# Altium PCB duo_x.PcbDoc (part 3 of 3)
Units mm, origin at the board's own origin, x right, y up, seen from the top; angles counter-clockwise.
Board outline 172 x 152 mm, 2 copper layers (Top Layer, Bottom Layer), stack 1.581 mm thick; 199 components, 164 nets, 858 pads, 437 vias.
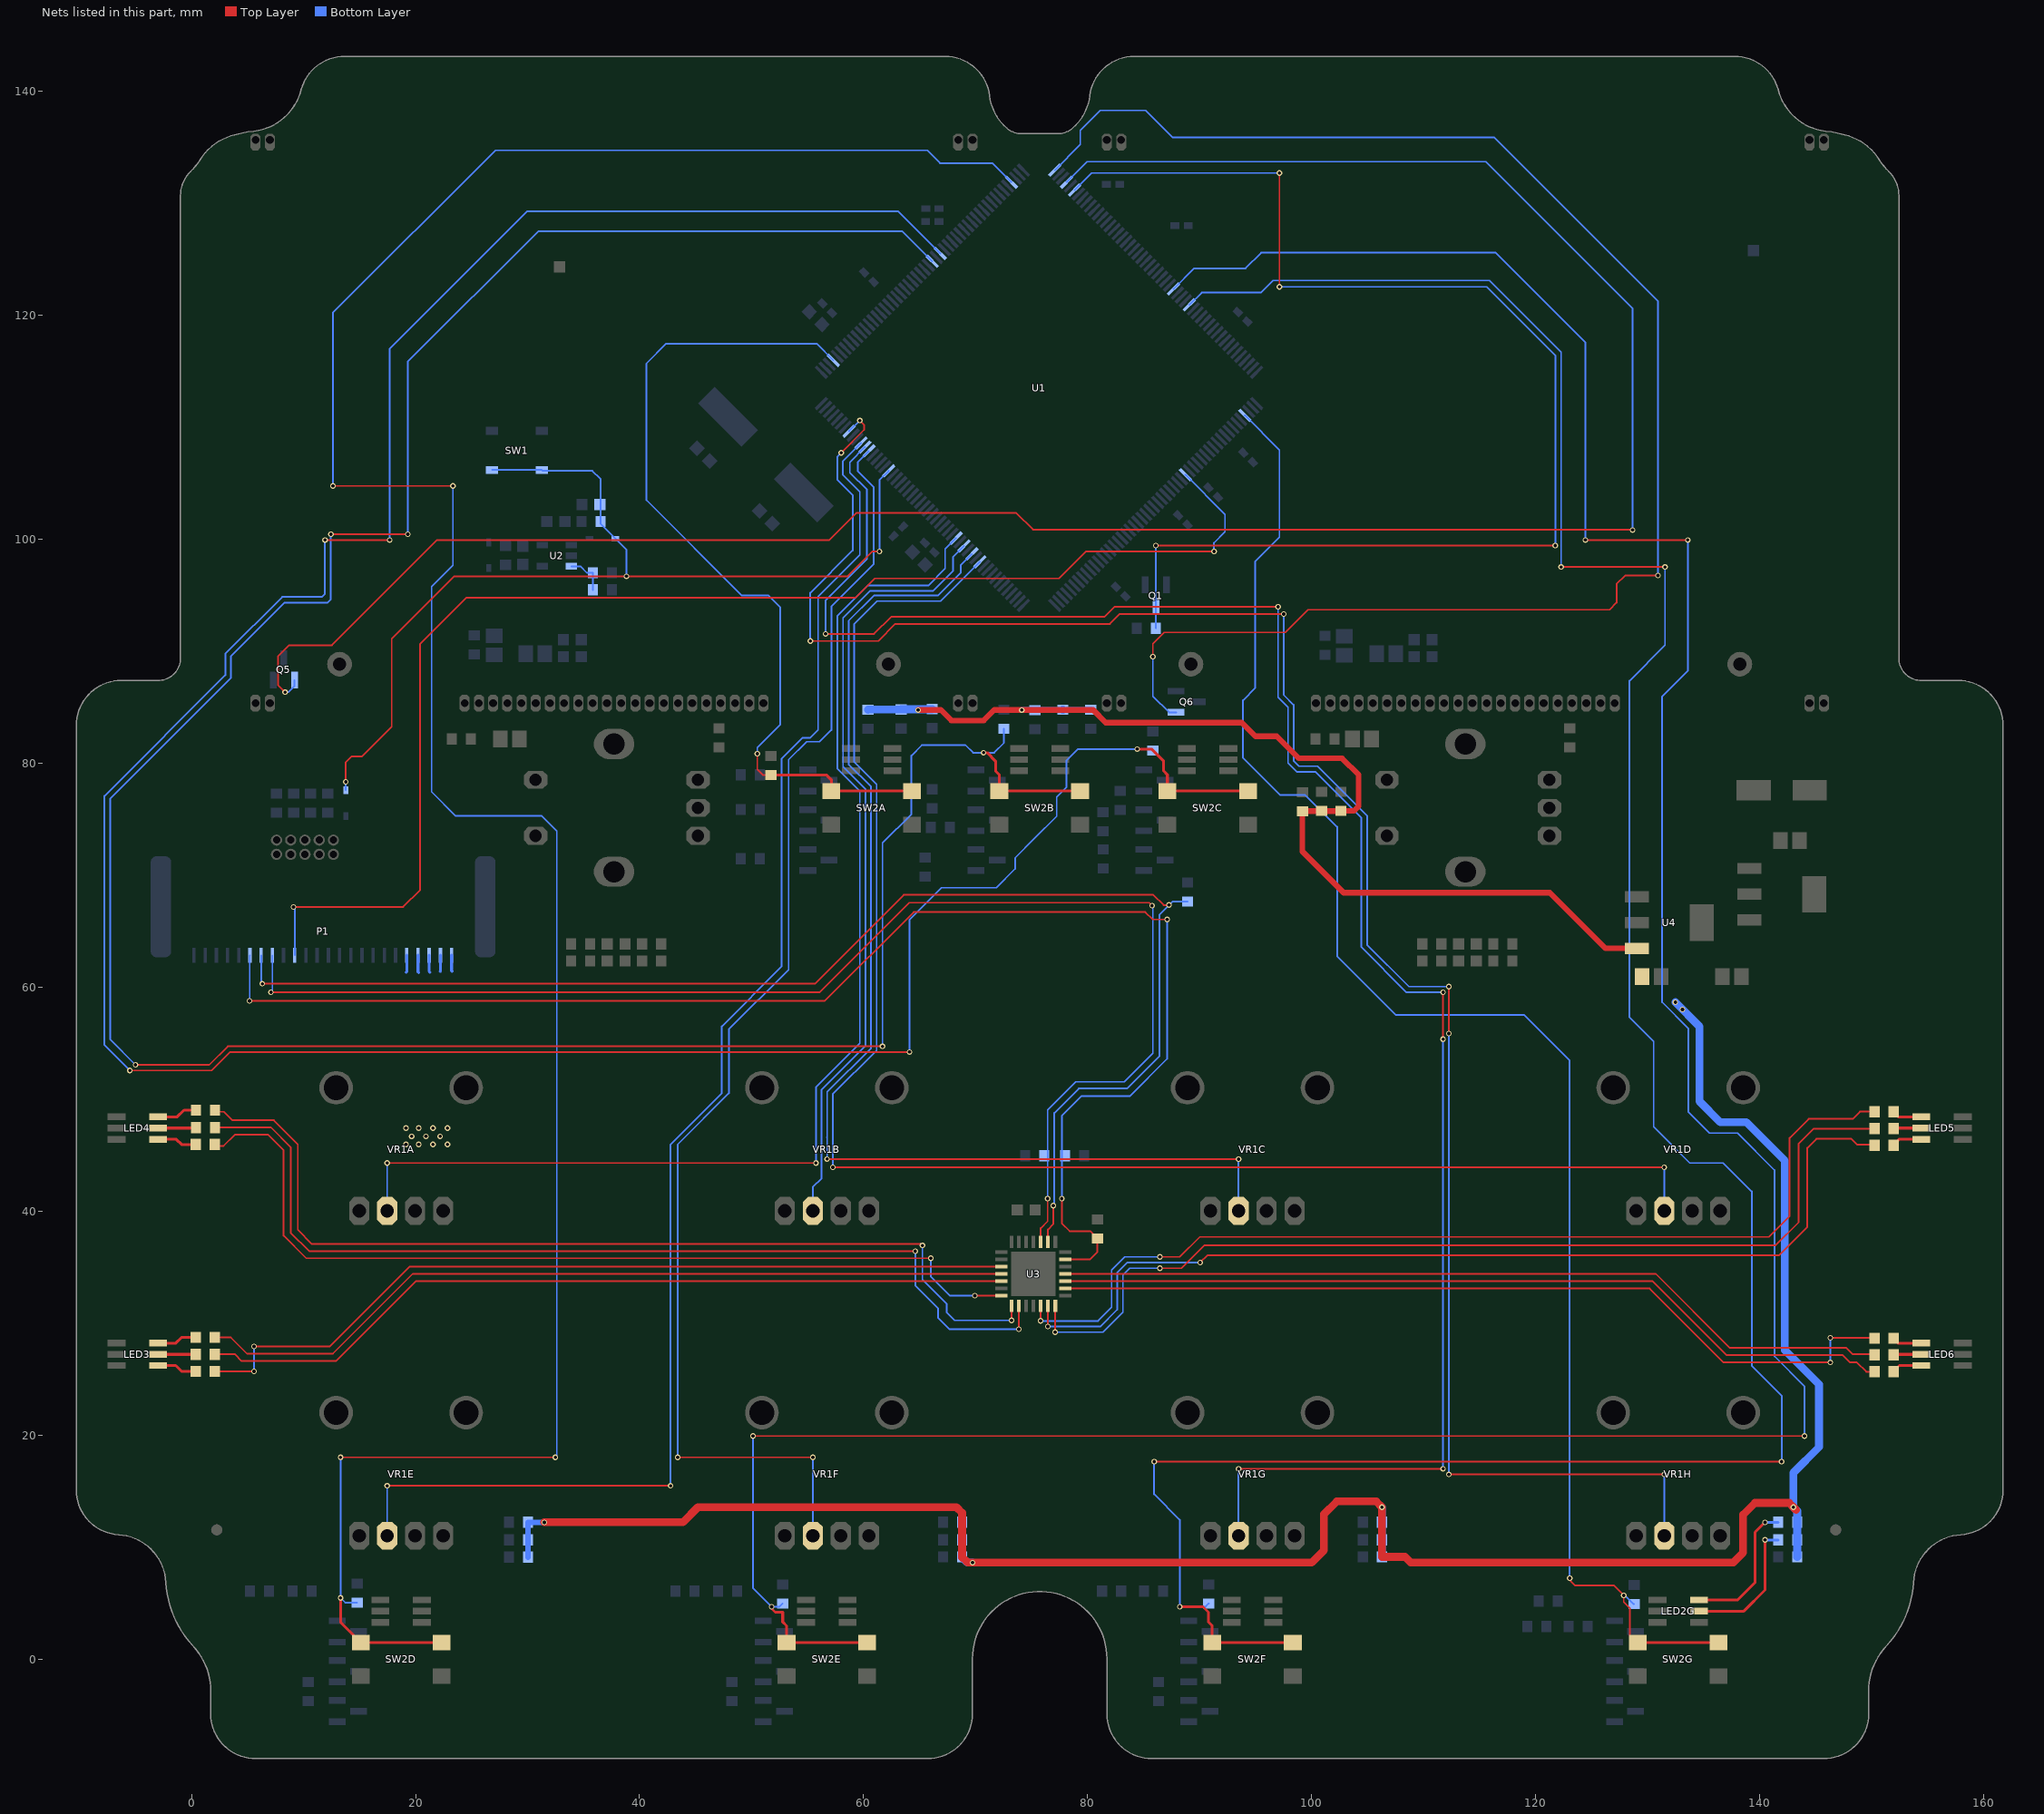
[diagram p3: the nets of this part, all layers, seen from the top]

## Via types
v1: diameter 0.5, hole 0.3, Top Layer to Bottom Layer, tented both sides, 437 vias

## Nets (pads, with @x,y where several pads share a name; then routed paths per layer and width w, separated by ;. In a path a pad name is that pad's centre, name@x,y a point inside that pad or via, vN(x,y) a via of type N, cw(c..) or ccw(c..) an arc to the next point about the centre after c; other vN are vias at no path point) (continued)
NetLED2G_5: LED2G.5 R15G.1 | length 12.3
  Top Layer w0.254: LED2G.5@134.566,4.3 138.573,4.3 140.462,6.189 v1(140.462,10.662)
  Bottom Layer w0.254: v1(140.462,10.662) R15G.1@141.644,10.662
NetLED2G_6: LED2G.6 R14G.1 | length 12.6
  Top Layer w0.254: LED2G.6@134.566,5.3 138.015,5.3 139.573,6.858 139.573,11.345 v1(140.462,12.234)
  Bottom Layer w0.254: v1(140.462,12.234) R14G.1@141.644,12.234
NetLED3_4: LED3.4 R30.2 | length 3.6
  Top Layer w0.254: LED3.4@-2.984,26.235 -1.411,26.235 -0.889,25.713 R30.2@0.378,25.713
NetLED3_5: LED3.5 R29.2 | length 3.4
  Top Layer w0.254: LED3.5@-2.984,27.235 R29.2@0.377,27.235
NetLED3_6: LED3.6 R28.2 | length 3.6
  Top Layer w0.254: LED3.6@-2.984,28.235 -1.398,28.235 -0.889,28.744 R28.2@0.381,28.744
NetLED4_4: LED4.4 R33.2 | length 3.6
  Top Layer w0.254: LED4.4@-2.984,46.435 -1.353,46.435 -0.889,45.971 R33.2@0.377,45.971
NetLED4_5: LED4.5 R32.2 | length 3.4
  Top Layer w0.254: LED4.5@-2.984,47.435 0.341,47.435 R32.2@0.384,47.479
NetLED4_6: LED4.6 R31.2 | length 3.6
  Top Layer w0.254: LED4.6@-2.984,48.435 -1.27,48.435 -0.668,49.037 R31.2@0.387,49.037
NetLED5_4: LED5.4 R37.2 | length 2.7
  Top Layer w0.254: R37.2@151.947,48.902 151.947,48.852 152.364,48.435 LED5.4@154.416,48.435
NetLED5_5: LED5.5 R36.2 | length 2.5
  Top Layer w0.254: R36.2@151.947,47.404 151.978,47.435 LED5.5@154.416,47.435
NetLED5_6: LED5.6 R35.2 | length 2.7
  Top Layer w0.254: R35.2@151.947,45.898 151.947,45.948 152.434,46.435 LED5.6@154.416,46.435
NetLED6_4: LED6.4 R40.2 | length 2.7
  Top Layer w0.254: R40.2@151.947,28.672 151.947,28.622 152.333,28.235 LED6.4@154.416,28.235
NetLED6_5: LED6.5 R39.2 | length 2.5
  Top Layer w0.254: R39.2@151.947,27.18 152.003,27.235 LED6.5@154.416,27.235
NetLED6_6: LED6.6 R38.2 | length 2.7
  Top Layer w0.254: R38.2@151.944,25.681 151.944,25.731 152.448,26.235 LED6.6@154.416,26.235
NetQ1_3: Q1.3 R1.2 U1.110 | length 116.3
  Top Layer w0.152: v1(86.089,99.453) v1(121.744,99.453) ; v1(97.122,122.555) v1(97.122,132.715)
  Bottom Layer w0.152: U1.110@78.823,131.198 80.34,132.715 v1(97.122,132.715) ; R1.2@86.089,92.075 86.094,92.08 Q1.3@86.094,94.046 86.089,94.051 v1(86.089,99.453) ; v1(97.122,122.555) 115.621,122.555 121.744,116.432 v1(121.744,99.453)
NetQ5_1: Q5.1 U1.108 | length 208.4
  Top Layer w0.152: v1(8.349,86.36) 7.714,86.995 7.714,89.535 8.73,90.551 12.54,90.551 21.938,99.949 56.942,99.949 59.355,102.362 73.624,102.362 75.115,100.871 128.611,100.871 v1(128.644,100.838)
  Bottom Layer w0.152: v1(8.349,86.36) 8.634,86.36 9.195,86.922 Q5.1@9.195,87.442 ; U1.108@78.116,131.905 79.942,133.731 115.537,133.731 128.644,120.624 v1(128.644,100.838)
NetQ6_1: Q6.1 U1.105 | length 144.3
  Top Layer w0.152: v1(85.819,89.535) 85.819,90.69 86.823,91.694 97.63,91.694 99.662,93.726 126.586,93.726 127.221,94.361 127.221,96.012 127.983,96.774 v1(130.904,96.774)
  Bottom Layer w0.152: U1.105@77.056,132.966 79.342,135.252 79.342,136.525 81.12,138.303 85.184,138.303 87.597,135.89 116.299,135.89 130.904,121.285 v1(130.904,96.774) ; v1(85.819,89.535) 85.819,86.002 87.264,84.557 Q6.1@87.89,84.557
NetR11_1: R11.1 R12.1 U2.3 | length 3.7
  Bottom Layer w0.152: U2.3@33.917,97.596 34.711,97.596 35.284,97.022 R12.1@35.831,97.022 R11.1@35.831,95.498
NetR28_1: R28.1 U3.4 | length 73.8
  Top Layer w0.152: R28.1@2.081,28.744 3.514,28.744 4.968,27.29 12.622,27.29 19.749,34.417 U3.4@72.301,34.417
NetR29_1: R29.1 U3.5 | length 73.4
  Top Layer w0.152: R29.1@2.077,27.235 3.882,27.235 4.478,26.64 12.891,26.64 20.018,33.767 U3.5@72.301,33.767
NetR30_1: R30.1 U3.3 | length 75.4
  Top Layer w0.152: R30.1@2.078,25.713 v1(5.588,25.713) ; v1(5.588,27.94) 12.353,27.94 19.48,35.067 U3.3@72.301,35.067
  Bottom Layer w0.152: v1(5.588,25.713) v1(5.588,27.94)
NetR31_1: R31.1 U3.8 | length 86.9
  Top Layer w0.152: R31.1@2.087,49.037 2.229,48.895 2.884,48.895 3.646,48.133 7.351,48.133 9.492,45.992 9.492,38.354 10.762,37.084 65.118,37.084 v1(65.245,36.957) ; v1(73.201,30.263) U3.8@73.201,31.567
  Bottom Layer w0.152: v1(65.245,36.957) 65.245,33.909 67.404,31.75 67.404,30.988 68.129,30.263 v1(73.201,30.263)
NetR32_1: R32.1 U3.9 | length 88.1
  Top Layer w0.152: R32.1@2.084,47.479 2.103,47.498 7.088,47.498 8.857,45.729 8.857,38.091 10.499,36.449 v1(64.61,36.449) ; v1(73.851,29.471) U3.9@73.851,31.567
  Bottom Layer w0.152: v1(64.61,36.449) 64.61,33.393 66.642,31.361 66.642,30.526 67.697,29.471 v1(73.851,29.471)
NetR33_1: R33.1 U3.7 | length 82.1
  Top Layer w0.152: R33.1@2.077,45.971 2.201,45.847 2.866,45.847 3.882,46.863 6.825,46.863 8.222,45.466 8.222,37.828 10.236,35.814 v1(66.003,35.814) ; v1(69.92,32.467) U3.7@72.301,32.467
  Bottom Layer w0.152: v1(66.003,35.814) 66.003,34.167 67.703,32.467 v1(69.92,32.467)
NetR35_1: R35.1 U3.13 | length 88.9
  Top Layer w0.152: v1(76.451,29.718) U3.13@76.451,31.567 ; v1(90.043,35.433) 90.679,36.068 141.699,36.068 144.239,38.608 144.239,45.671 145.05,46.482 148.176,46.482 148.684,45.974 150.171,45.974 R35.1@150.247,45.898
  Bottom Layer w0.152: v1(76.451,29.718) 81.138,29.718 82.639,31.219 82.639,34.537 83.535,35.433 v1(90.043,35.433)
NetR36_1: R36.1 U3.14 | length 89.1
  Top Layer w0.152: v1(77.101,29.21) U3.14@77.101,31.567 ; v1(86.454,34.925) 88.359,34.925 90.391,36.957 141.394,36.957 143.472,39.035 143.472,46.052 144.791,47.371 150.214,47.371 R36.1@150.247,47.404
  Bottom Layer w0.152: v1(77.101,29.21) 81.348,29.21 83.147,31.008 83.147,34.326 83.745,34.925 v1(86.454,34.925)
NetR37_1: R37.1 U3.12 | length 89.6
  Top Layer w0.152: v1(75.801,30.221) U3.12@75.801,31.567 ; v1(86.454,35.936) 88.227,35.936 90.01,37.719 140.81,37.719 142.667,39.576 142.667,46.561 144.366,48.26 148.303,48.26 148.945,48.902 R37.1@150.247,48.902
  Bottom Layer w0.152: v1(75.801,30.221) 80.93,30.221 82.136,31.427 82.136,34.745 83.327,35.936 v1(86.454,35.936)
NetR38_1: R38.1 U3.17 | length 75.6
  Top Layer w0.152: U3.17@78.001,33.767 130.441,33.767 137.045,27.163 147.413,27.163 148.063,26.513 148.667,26.513 149.499,25.681 R38.1@150.244,25.681
NetR39_1: R39.1 U3.18 | length 75.2
  Top Layer w0.152: U3.18@78.001,34.417 130.71,34.417 137.314,27.813 147.725,27.813 148.303,27.235 150.191,27.235 R39.1@150.247,27.18
NetR40_1: R40.1 U3.16 | length 77.2
  Top Layer w0.152: U3.16@78.001,33.117 130.172,33.117 136.776,26.513 v1(146.304,26.513) ; v1(146.304,28.702) 150.217,28.702 R40.1@150.247,28.672
  Bottom Layer w0.152: v1(146.304,26.513) v1(146.304,28.702)
PM_LEDS_OE: P1.6 R2.1 R34.2 U3.20 | length 131.2
  Top Layer w0.152: v1(5.174,58.801) 56.542,58.801 64.467,66.725 85.145,66.725 85.81,66.061 v1(87.089,66.061) ; v1(77.691,41.148) 77.691,38.925 78.389,38.227 80.231,38.227 R34.2@80.866,37.592 80.866,36.367 80.216,35.717 U3.20@78.001,35.717
  Bottom Layer w0.152: v1(5.174,58.801) 5.195,58.822 5.195,62.844 P1.6@5.216,62.865 ; v1(77.691,41.148) 77.691,48.514 79.478,50.301 83.779,50.301 87.089,53.611 v1(87.089,66.061)
PM_LEDS_SCL: P1.7 R4.1 U3.23 | length 126.1
  Top Layer w0.152: v1(6.317,60.325) 55.636,60.325 63.578,68.267 85.858,68.267 86.78,67.346 v1@87.264,67.346 ; U3.23@76.451,37.267 76.451,38.384 76.929,38.862 v1(76.929,40.513)
  Bottom Layer w0.152: P1.7@6.216,62.865 6.216,60.478 6.317,60.376 v1(6.317,60.325) ; v1(76.929,40.513) 76.996,40.58 76.996,40.752 77.02,40.776 77.02,48.792 79.2,50.972 83.501,50.972 86.418,53.889 86.418,66.512 v1(87.264,67.358) 87.562,67.656 R4.1@88.916,67.656
PM_LEDS_SDA: P1.8 R3.1 U3.24 | length 122.2
  Top Layer w0.152: v1(7.088,59.563) 26.921,59.563 54.44,59.563 56.061,59.563 64.057,67.559 85.48,67.559 v1(85.747,67.292) ; U3.24@75.801,37.267 75.801,38.496 76.421,39.116 v1(76.421,41.148)
  Bottom Layer w0.152: v1(7.088,59.563) 7.088,59.657 7.216,59.785 P1.8@7.216,62.865 ; v1(76.421,41.148) 76.421,49.04 78.952,51.571 83.253,51.571 85.819,54.137 85.819,67.22 v1(85.747,67.292)
POT1: U1.18 VR1A.2 | length 108.4
  Top Layer w0.152: v1(17.466,44.323) v1(55.744,44.323)
  Bottom Layer w0.152: VR1A.2@17.466,40.035 v1(17.466,44.323) ; v1(55.744,44.323) 55.744,51.078 59.657,54.991 59.657,77.508 57.661,79.504 57.661,93.19 60.356,95.885 65.774,95.885 67.277,97.388 67.277,99.146 U1.18@68.252,100.121
POT2: U1.16 VR1B.2 | length 69.9
  Bottom Layer w0.152: VR1B.2@55.466,40.035 55.466,42.164 56.244,42.942 56.244,50.871 60.157,54.784 60.157,77.715 58.161,79.711 58.161,92.992 60.583,95.414 66.205,95.414 67.987,97.196 67.987,98.441 U1.16@68.959,99.414
POT3: U1.14 VR1C.2 | length 105.8
  Top Layer w0.152: v1@56.744,44.665 v1@93.474,44.665
  Bottom Layer w0.152: 56.736,46.609 56.744,46.601 v1@56.744,44.665 ; 56.744,46.609 56.744,50.664 60.657,54.577 60.657,77.922 58.661,79.918 58.661,92.73 60.927,94.996 66.627,94.996 68.674,97.043 68.674,97.714 U1.14@69.666,98.706 ; VR1C.2@93.466,40.035 v1(93.466,44.665)
  other v1: 56.736,44.673
POT4: U1.12 VR1D.2 | length 142.6
  Top Layer w0.152: v1(57.244,43.942) v1(131.466,43.942)
  Bottom Layer w0.152: v1(57.244,43.942) 57.244,47.244 57.244,50.457 61.157,54.37 61.157,78.129 59.161,80.125 59.161,92.468 61.181,94.488 66.862,94.488 U1.12@70.373,97.999 ; VR1D.2@131.466,40.035 v1(131.466,43.942)
POT5: U1.42 VR1E.2 | length 131.6
  Top Layer w0.152: v1(17.466,15.494) v1(42.766,15.494)
  Bottom Layer w0.152: VR1E.2@17.466,11.035 v1(17.466,15.494) ; v1(42.766,15.494) 42.766,45.974 47.338,50.546 47.338,56.515 52.672,61.849 52.672,80.412 54.556,82.296 55.236,82.296 55.933,82.993 55.933,94.905 59.657,98.629 59.657,104.267 58.133,105.791 58.133,106.972 U1.42@59.767,108.606
POT6: U1.40 VR1F.2 | length 117.9
  Top Layer w0.152: v1(43.401,18.034) v1(55.467,18.034)
  Bottom Layer w0.152: v1(43.401,18.034) 43.401,45.974 47.973,50.546 47.973,56.252 53.307,61.586 53.307,80.339 54.91,81.942 56.074,81.942 57.117,82.986 57.117,94.007 60.891,97.781 60.891,104.687 59.467,106.111 59.467,106.892 U1.40@60.474,107.899 ; VR1F.2@55.466,11.035 55.466,14.732 v1(55.467,18.034)
POT7: U1.41 VR1G.2 | length 171
  Top Layer w0.152: v1(56.609,91.567) 60.927,91.567 62.451,93.091 81.501,93.091 82.39,93.98 v1(96.993,93.98) ; v1(93.466,17.018) v1(111.727,17.018) ; v1(111.727,55.372) v1(111.727,59.563)
  Bottom Layer w0.152: v1(56.609,91.567) 56.609,94.573 60.292,98.256 60.292,104.435 58.768,105.959 58.768,106.9 U1.41@60.12,108.252 ; VR1G.2@93.466,11.035 v1(93.466,17.018) ; v1@96.995,93.98 96.995,85.903 97.884,85.014 97.884,80.021 98.657,79.248 100.311,79.248 104.431,75.128 104.431,63.6 108.469,59.563 v1(111.727,59.563) ; v1(111.727,17.018) v1(111.727,55.372)
POT8: U1.45 VR1H.2 | length 178.3
  Top Layer w0.152: v1(55.241,90.932) 61.308,90.932 62.832,92.456 81.987,92.456 82.876,93.345 v1(97.503,93.345) ; v1(57.999,107.739) 60.038,109.778 60.038,110.236 v1(59.657,110.617) ; v1(112.235,16.51) v1(131.466,16.51) ; v1(112.235,55.88) v1(112.235,60.071)
  Bottom Layer w0.152: v1(55.241,90.932) 55.241,95.236 59.022,99.016 59.022,103.959 57.661,105.32 57.661,107.401 v1(57.999,107.739) ; U1.45@58.706,109.667 v1(59.657,110.617) ; v1(97.503,93.345) 97.503,86.114 98.392,85.225 98.392,80.231 98.867,79.756 100.522,79.756 104.939,75.338 104.939,63.811 108.679,60.071 v1(112.235,60.071) ; v1(112.235,16.51) v1(112.235,55.88) ; VR1H.2@131.466,11.035 v1(131.466,16.51)
POWER_BUTTON: P1.10 U1.175 | length 121.3
  Top Layer w0.152: v1(9.111,67.183) 18.89,67.183 20.414,68.707 20.414,90.678 24.522,94.786 59.254,94.786 60.987,96.52 77.452,96.52 79.865,98.933 v1(91.28,98.933)
  Bottom Layer w0.152: v1(9.111,67.183) 9.111,67.089 9.216,66.984 P1.10@9.216,62.865 ; U1.175@88.723,105.778 92.263,102.237 92.263,100.678 91.28,99.695 v1(91.28,98.933)
RESET: C6.1 D2.2 D3.2 R10.2 SW1.1 SW1.2 U1.35 | length 89.8
  Top Layer w0.152: v1(13.771,78.359) 13.771,80.098 14.281,80.608 15.213,80.608 17.874,83.269 17.874,91.126 23.459,96.71 v1(38.829,96.71) 58.577,96.71 60.804,98.937 61.407,98.937 v1(61.41,98.933)
  Bottom Layer w0.152: D3.2@13.771,77.604 v1(13.771,78.359) ; SW1.1@26.828,106.2 SW1.2@31.278,106.2 31.346,106.131 35.786,106.131 36.504,105.413 R10.2@36.504,101.594 36.504,101.398 D2.2@37.831,100.07 38.829,99.073 v1(38.829,96.71) ; v1(61.41,98.933) 61.41,105.3 U1.35@62.242,106.131
SW1: R13A.1 SW2A.3 SW2A.4 U1.56 | length 76.6
  Top Layer w0.152: v1(50.513,80.867) 50.513,79.462 51.001,78.974 R13A.1@51.72,78.974
  Top Layer w0.254: R13A.1@51.72,78.974 56.677,78.974 57.116,78.535 SW2A.3@57.116,77.535 SW2A.4@64.316,77.535
  Bottom Layer w0.152: v1(50.513,80.867) 50.513,81.407 52.545,83.439 52.545,93.956 51.505,94.996 49.114,94.996 40.607,103.503 40.607,115.697 42.385,117.475 55.812,117.475 U1.56@57.292,115.995
SW2: R13B.1 SW2B.3 SW2B.4 U1.81 | length 250.1
  Top Layer w0.152: v1(-4.998,53.086) 1.593,53.086 3.244,54.737 v1(61.689,54.737) ; v1(12.448,100.457) v1(19.306,100.457)
  Top Layer w0.254: v1(70.706,80.959) 71.03,80.959 71.779,80.21 71.779,79.332 72.116,78.995 SW2B.3@72.116,77.535 SW2B.4@79.316,77.535
  Bottom Layer w0.152: v1(-4.998,53.086) -7.272,55.36 -7.272,76.835 3.523,87.63 3.523,89.579 8.305,94.361 12.159,94.361 12.436,94.638 v1@12.436,100.457 ; v1(19.306,100.457) 19.306,115.859 30.955,127.508 63.457,127.508 U1.81@66.131,124.834 ; v1(61.689,54.737) 61.689,72.898 64.258,75.467 64.258,80.694 65.198,81.635 69.097,81.635 69.773,80.959 v1(70.706,80.959) 71.661,80.959 72.518,81.815 R13B.1@72.518,83.088
SW3: R13C.1 SW2C.3 SW2C.4 U1.83 | length 263.2
  Top Layer w0.152: v1(-5.506,52.578) 1.804,52.578 3.455,54.229 v1(64.102,54.229) ; v1(11.917,99.949) v1(17.689,99.949)
  Top Layer w0.254: v1(84.422,81.28) 85.709,81.28 86.779,80.21 86.779,79.332 87.116,78.995 SW2C.3@87.116,77.535 SW2C.4@94.316,77.535
  Bottom Layer w0.152: v1(-5.506,52.578) -7.78,54.852 -7.78,77.089 3.015,87.884 3.015,89.789 8.095,94.869 11.651,94.869 11.905,95.123 v1@11.905,99.949 ; v1(17.689,99.949) 17.689,117.036 29.939,129.286 63.093,129.286 U1.83@66.838,125.541 ; v1(64.102,54.229) 64.102,66.061 66.937,68.895 71.832,68.895 73.53,70.593 73.53,71.57 75.269,73.309 77.237,75.278 77.237,77.005 78.116,77.884 78.116,80.261 79.136,81.28 v1(84.422,81.28) 85.702,81.28 R13C.1@85.819,81.163
SW4: R13D.1 SW2D.3 SW2D.4 U1.101 | length 236
  Top Layer w0.152: v1(12.623,104.775) v1(23.335,104.775) ; v1(13.302,18.034) v1(32.479,18.034)
  Top Layer w0.254: v1(13.302,5.482) 13.302,3.314 14.443,2.173 14.443,2.073 15.016,1.5 SW2D.3@15.116,1.5 SW2D.4@22.316,1.5
  Bottom Layer w0.152: v1(12.623,104.775) 12.623,120.241 27.129,134.747 65.679,134.747 66.822,133.604 71.503,133.604 U1.101@73.202,131.905 ; v1(13.302,18.034) v1(13.302,5.482) 13.724,5.06 R13D.1@14.779,5.06 ; v1(23.335,104.775) 23.335,97.689 21.43,95.784 21.43,77.463 23.589,75.304 31.261,75.304 32.606,73.959 32.606,18.161 v1(32.479,18.034)
SW5: R13E.1 SW2E.3 SW2E.4 U1.135 | length 278.1
  Top Layer w0.152: v1(50.132,19.939) v1(143.985,19.939) ; v1(124.423,99.949) v1(133.571,99.949)
  Top Layer w0.254: v1(51.783,4.699) 51.783,4.535 52.108,4.21 52.779,4.21 52.779,3.332 53.116,2.995 SW2E.3@53.116,1.535 ; SW2E.3@53.116,1.5 SW2E.4@60.316,1.5
  Bottom Layer w0.152: v1(50.132,19.939) 50.132,6.35 v1(51.783,4.699) 52.486,4.699 R13E.1@52.779,4.992 ; U1.135@87.662,122.359 89.505,124.202 94.088,124.202 95.489,125.603 116.426,125.603 124.423,117.606 v1(124.423,99.949) ; v1(133.571,99.949) 133.571,88.265 131.285,85.979 131.285,58.674 133.615,56.344 133.615,48.894 135.518,46.99 138.016,46.99 141.318,43.688 141.318,27.051 143.985,24.384 v1(143.985,19.939)
SW6: R13F.1 SW2F.3 SW2F.4 U1.139 | length 239.2
  Top Layer w0.152: v1(85.934,17.653) v1(141.941,17.653) ; v1(122.268,97.536) v1(131.539,97.536)
  Top Layer w0.254: v1@88.232,4.699 90.29,4.699 90.779,4.21 90.779,3.332 91.116,2.995 SW2F.3@91.116,1.535 ; SW2F.3@91.116,1.5 SW2F.4@98.316,1.5
  Bottom Layer w0.152: v1(85.934,17.653) 85.934,14.744 88.22,12.458 v1(88.22,4.699) 90.531,4.699 R13F.1@90.813,4.98 ; U1.139@89.076,120.945 90.178,122.047 95.458,122.047 96.536,123.125 115.856,123.125 122.268,116.713 v1(122.268,97.536) ; v1(131.539,97.536) 131.539,90.551 128.364,87.376 128.364,57.324 130.523,55.165 130.523,47.545 133.745,44.323 136.738,44.323 139.286,41.775 139.286,26.209 141.953,23.542 v1@141.953,17.653
SW7: R13G.1 SW2G.3 SW2G.4 U1.160 | length 145.4
  Top Layer w0.152: v1(123.027,7.239) 123.027,7.061 123.484,6.604 126.967,6.604 v1(127.856,5.715) 127.856,5.133 128.397,4.592 128.397,2.124 129.021,1.5 SW2G.3@129.116,1.5
  Top Layer w0.254: SW2G.3@129.116,1.5 SW2G.4@136.316,1.5
  Bottom Layer w0.152: U1.160@94.026,111.081 97.122,107.985 97.122,100.2 94.963,98.041 94.963,86.741 93.863,85.641 93.863,80.496 97.183,77.176 99.426,77.176 102.272,74.33 102.272,62.769 107.497,57.544 118.953,57.544 123.027,53.47 v1(123.027,7.239) ; v1(127.856,5.715) 127.938,5.715 128.729,4.923 R13G.1@128.779,4.923
VIN: C31.2 P1.20 P1.21 P1.22 P1.23 P1.24 R14A.2 R14B.2 R14C.2 R14D.2 R14E.2 R14F.2 R14G.2 R15A.2 R15B.2 R15C.2 R15D.2 R15E.2 R15F.2 R15G.2 R16A.2 R16B.2 R16C.2 R16D.2 R16E.2 R16F.2 R16G.2 U4.3 | length 307.8
  Top Layer w0.508: v1(64.864,84.763) 66.896,84.763 67.831,83.828 70.725,83.828 71.66,84.763 v1(74.121,84.763) 80.495,84.763 81.609,83.649 93.764,83.649 94.984,82.429 96.866,82.429 98.843,80.452 102.716,80.452 104.191,78.977 104.191,76.175 103.77,75.754 R14C.2@102.602,75.754 102.59,75.743 99.183,75.743 R16C.2@99.171,75.731 99.171,72.122 102.846,68.446 121.259,68.446 126.219,63.486 U4.3@129.02,63.486
  Top Layer w0.7: v1(31.496,12.234) 43.857,12.234 45.212,13.589 68.287,13.589 68.795,13.081 68.795,9.094 68.895,8.994 68.945,8.994 69.303,8.636 v1(69.723,8.636) 100.004,8.636 101.092,9.724 101.092,12.954 102.235,14.097 105.765,14.097 v1(106.273,13.589) 106.273,9.144 108.331,9.144 108.839,8.636 137.627,8.636 138.516,9.525 138.516,12.913 139.573,13.97 142.621,13.97 v1(143.002,13.589) 143.244,13.347
  Bottom Layer w0.254: 19.144,61.341 19.216,61.413 P1.20@19.216,62.865 ; P1.21@20.216,62.865 20.216,61.375 20.287,61.304 ; P1.22@21.216,62.865 21.216,61.415 21.29,61.341 ; 22.192,61.415 22.216,61.439 P1.23@22.216,62.865 ; P1.24@23.216,62.865 23.216,61.49 23.29,61.415
  Bottom Layer w0.508: R16D.2@30.03,9.137 R15D.2@30.03,10.662 R14D.2@30.03,12.234 v1(31.496,12.234) ; v1(74.121,84.763) 75.267,84.763 R14B.2@75.281,84.749 75.3,84.769 R15B.2@77.761,84.769 ; R15B.2@77.781,84.788 R16B.2@80.265,84.788
  Bottom Layer w0.7: R14A.2@60.384,84.788 60.397,84.801 63.327,84.801 R15A.2@63.34,84.814 63.359,84.834 66.103,84.834 R16A.2@66.122,84.853 ; R14E.2@68.795,12.234 R15E.2@68.795,10.662 R16E.2@68.795,9.144 68.795,9.094 69.253,8.636 v1(69.723,8.636) ; R15B.2@77.761,84.769 R15B.2@77.781,84.788 ; R16F.2@106.273,9.144 R15F.2@106.273,10.662 R14F.2@106.273,12.234 v1(106.273,13.589) ; v1(132.461,58.674) 134.62,56.515 134.62,49.82 136.466,47.973 138.798,47.973 142.24,44.531 142.24,27.603 145.288,24.555 145.288,18.956 143.002,16.67 v1(143.002,13.589) 143.344,13.247 R14G.2@143.344,12.234 R15G.2@143.344,10.662 R16G.2@143.344,9.144
  other v1: 19.144,45.974 20.287,45.974 21.557,45.974 22.856,45.974 19.652,46.697 20.922,46.697 22.192,46.697 19.144,47.435 20.287,47.435 21.557,47.435 22.856,47.435 133.102,58.033
pads on no net: E1A.M E1B.M FID1.F FID2.F FID3.F FID4.F FID5.F FID6.F GLCD1.M GLCD2.M P1.M P2.1 P2.7 U1.1 U1.3 U1.5 U1.7 U1.8 U1.9 U1.11 U1.13 U1.17 U1.19 U1.21 U1.23 U1.25 U1.27 U1.28 U1.29 U1.30 U1.31 U1.34 U1.36 U1.37 U1.39 U1.43 U1.47 U1.48 U1.49 U1.50 U1.51 U1.52 U1.57 U1.58 U1.59 U1.61 U1.62 U1.64 U1.65 U1.66 U1.67 U1.68 U1.69 U1.70 U1.72 U1.73 U1.74 U1.75 U1.76 U1.82 U1.85 U1.87 U1.88 U1.90 U1.95 U1.111 U1.113 U1.115 U1.116 U1.117 U1.118 U1.119 U1.120 U1.121 U1.122 U1.123 U1.126 U1.130 U1.131 U1.140 U1.141 U1.142 U1.143 U1.144 U1.145 U1.147 U1.149 U1.150 U1.151 U1.152 U1.153 U1.154 U1.155 U1.156 U1.164 U1.166 U1.167 U1.168 U1.176 U1.177 U1.178 U1.179 U1.180 U1.182 U1.183 U1.184 U1.185 U1.186 U1.187 U1.188 U1.190 U1.191 U1.192 U1.193 U1.194 U1.195 U1.196 U1.197 U1.199 U1.201 U1.203 U1.205 U1.206 U1.207 U1.208 U3.6 U3.10 U3.15 U3.19 VR1A.4 VR1A.M VR1B.4 VR1B.M VR1C.4 VR1C.M VR1D.4 VR1D.M VR1E.4 VR1E.M VR1F.4 VR1F.M VR1G.4 VR1G.M VR1H.4 VR1H.M

## Polygon pours and split planes (outlines as drawn)
VIN on Top Layer "VIN_L01_P160" (solid, pour order 160): 126.492,53.848 134.82,53.848 134.82,58.201 133.966,59.055 128.941,59.055 127.92,58.033
+3V3 on Top Layer "+3V3_L01_P002" (solid, pour order 2): 74.262,37.973 75.405,37.973 75.405,38.989 75.913,39.497 75.913,40.767 74.643,40.767 74.643,38.862 74.262,38.481
GND on Top Layer "Top Layer-GND" (solid, pour order 8): 71.468,35.481 68.372,35.481 66.896,36.957 66.896,40.767 74.262,40.767 74.262,38.862 74.008,38.608 74.008,37.973 71.849,37.973 71.468,37.592
NetC21_1 on Top Layer "Top Layer-NetC21_1" (solid, pour order 16): 28.542,81.153 30.193,81.153 30.193,83.268 29.939,83.522 29.939,84.582 29.05,84.582 28.796,84.328 28.796,83.339 28.542,83.085
NetC21_2 on Top Layer "Top Layer-NetC21_2" (solid, pour order 18): 26.764,81.153 28.288,81.153 28.288,83.395 28.542,83.649 28.542,84.573 28.533,84.582 27.78,84.582 27.78,83.776 27.15,83.146 26.764,83.146
NetC26_1 on Top Layer "Top Layer-NetC26_1" (solid, pour order 36): 104.542,81.153 106.193,81.153 106.193,83.268 105.939,83.522 105.939,84.582 105.05,84.582 104.796,84.328 104.796,83.339 104.542,83.085
NetC26_2 on Top Layer "Top Layer-NetC26_2" (solid, pour order 38): 102.764,81.153 104.288,81.153 104.288,83.395 104.542,83.649 104.542,84.573 104.533,84.582 103.78,84.582 103.78,83.776 103.15,83.146 102.764,83.146
+3V3 on Top Layer "Top Layer-+3V3 6" (solid, pour order 76): 79.088,101.219 82.114,101.219 83.003,102.108 86.2,102.108 86.962,102.87 87.089,102.997 85.438,104.648 84.168,104.648 81.628,102.108 79.977,102.108
+3V3 on Top Layer "Top Layer-+3V3 5" (solid, pour order 84): 85.692,102.107 134.137,102.107 135.603,100.641 135.603,98.297 133.298,95.992 130.954,95.992 129.761,94.799 129.761,85.089 130.904,83.946 130.904,81.787 132.555,80.136 141.445,80.136 142.842,78.739 142.842,72.323 152.936,72.323 153.002,72.389 153.002,79.755 149.065,83.692 148.938,83.565 141.4,83.565 141.4,90.535 141.4,99.613 135.92,105.092 84.623,105.093 84.134,104.603
+3V3 on Top Layer "Top Layer-+3V3" (solid, pour order 104): 74.643,40.005 74.643,42.545 75.405,43.307 80.955,43.307 81.374,42.888 81.374,38.862 80.358,38.862 80.358,41.656 79.723,42.291 76.294,42.291 75.898,41.895 75.898,40.005
+3V3 on Top Layer "Top Layer-+3V3 8" (solid, pour order 106): 110.711,88.646 92.296,88.646 91.026,87.376 86.581,87.376 85.311,88.646 64.864,88.646 63.34,90.17 60.927,90.17 60.927,87.63 61.562,86.995 84.065,86.995 85.208,85.852 92.098,85.852 93.368,87.122 110.203,87.122 110.33,86.995 110.711,86.995
+3V3 on Top Layer "Top Layer-+3V3 2" (solid, pour order 110): 74.643,40.354 74.643,42.418 74.389,42.672 74.701,42.984 80.935,42.984 81.374,42.545 81.374,38.862 80.358,38.862 80.344,38.876 80.344,41.148 80.27,41.148 79.325,42.093 76.096,42.093 75.898,41.895 75.898,40.354
+3V3 on Top Layer "Top Layer-+3V3 7" (solid, pour order 128): 130.777,102.754 130.777,109.961 127.708,113.03 98.138,113.03 79.596,131.572 79.596,132.588 81.755,132.588 99.281,115.062 132.809,115.062 136.111,111.76 136.111,101.727
+3V3 on Top Layer "Top Layer-+3V3 4" (solid, pour order 136): 81.848,101.219 75.771,101.219 74.12,102.87 62.895,102.87 60.325,105.44 60.325,106.553 62.451,106.553 64.864,104.14 74.77,104.14 76.803,102.107 82.825,102.107
+3V3 on Top Layer "Top Layer-+3V3 3" (solid, pour order 140): 81.363,129.805 79.723,131.445 74.377,131.445 60.407,117.475 56.482,117.475 54.831,119.126 54.831,119.888 56.228,121.285 61.435,121.285 72.738,132.588 81.893,132.588
+3V3 on Top Layer "Top Layer-+3V3 1" (solid, pour order 152): 79.596,132.588 92.931,132.588 95.217,134.874 130.904,134.874 135.984,129.794 135.984,104.452 132.751,104.452 132.682,104.521 132.809,104.648 132.809,128.778 128.364,133.223 96.868,133.223 93.947,130.302 80.993,130.302 79.977,131.318
+3V3 on Top Layer "+3V3_L01_P155" (solid, pour order 155): 137.635,69.215 137.635,67.31 142.144,67.31 142.144,65.278 153.002,65.278 153.002,75.356 150.798,73.152 143.604,73.152 142.842,72.39 142.842,69.215
NetC30_2 on Top Layer "NETC30_2_L01_P156" (solid, pour order 156): 137.635,59.944 141.191,59.944 141.191,66.675 136.746,66.675 136.746,67.691 131.285,67.691 131.285,66.922 127.393,66.922 127.393,64.897 131.285,64.897 131.285,62.865 137.635,62.865
VIN on Top Layer "VIN_L01_P159" (solid, pour order 159): 130.269,64.008 130.269,59.055 129.253,58.039 129.253,55.88 125.951,52.578 114.775,52.578 107.79,45.593 18.772,45.593 18.636,45.729 18.636,47.879 106.412,47.879 113.905,55.372 124.077,55.372 125.57,56.865 125.57,64.008
GND on Top Layer "Top Layer-GND 1" (solid, remove dead copper, pour order 154): -10.414,143.135 161.462,143.135 161.462,-8.871 -10.414,-8.871
GND on Bottom Layer "Bottom Layer-GND" (solid, remove dead copper, pour order 144): -10.16,143.51 161.716,143.51 161.716,-8.528 -10.16,-8.528
+3V3 on Bottom Layer "Bottom Layer-+3V3 9" (solid, pour order 10): 35.019,86.36 35.019,88.646 35.4,89.027 35.4,91.821 34.13,91.821 34.13,88.9 34.003,88.773 34.003,86.36
NetC22_1 on Bottom Layer "Bottom Layer-NetC22_1" (solid, pour order 12): 32.352,86.454 32.352,90.805 30.828,90.805 30.828,88.265 31.209,87.884 31.551,87.884 31.59,87.845 31.59,86.454
NetC22_2 on Bottom Layer "Bottom Layer-NetC22_2" (solid, pour order 14): 29.05,90.805 30.574,90.805 30.574,88.099 31.019,87.654 31.019,86.514 30.193,86.514 30.193,87.503 29.622,88.074 29.05,88.074
NetC20_1 on Bottom Layer "Bottom Layer-NetC20_1" (solid, pour order 20): 27.399,86.505 27.399,88.392 27.78,88.773 27.78,90.424 24.516,90.424 24.516,89.027 25.278,88.265 26.129,88.265 26.51,87.884 26.51,86.505
+3V3 on Bottom Layer "Bottom Layer-+3V3 6" (solid, pour order 26): 30.839,99.181 31.855,99.181 31.855,100.451 32.236,100.832 32.236,102.102 31.22,102.102 31.22,100.832 30.839,100.451
+3V3 on Bottom Layer "Bottom Layer-+3V3 5" (solid, pour order 28): 111.019,86.36 111.019,88.646 111.4,89.027 111.4,91.821 110.13,91.821 110.13,88.9 110.003,88.773 110.003,86.36
NetC27_1 on Bottom Layer "Bottom Layer-NetC27_1" (solid, pour order 30): 108.352,86.454 108.352,90.805 106.828,90.805 106.828,88.265 107.209,87.884 107.551,87.884 107.59,87.845 107.59,86.454
NetC27_2 on Bottom Layer "Bottom Layer-NetC27_2" (solid, pour order 32): 105.05,90.805 106.574,90.805 106.574,88.099 107.019,87.654 107.019,86.514 106.193,86.514 106.193,87.503 105.622,88.074 105.05,88.074
NetC25_1 on Bottom Layer "Bottom Layer-NetC25_1" (solid, pour order 34): 103.399,86.505 103.399,88.392 103.78,88.773 103.78,90.424 100.516,90.424 100.516,89.027 101.278,88.265 102.129,88.265 102.51,87.884 102.51,86.505
+3V3 on Bottom Layer "Bottom Layer-+3V3 11" (solid, pour order 92): 110.13,89.452 110.13,105.092 112.87,105.092 112.87,93.726 111.346,92.202 111.346,89.408
+3V3 on Bottom Layer "Bottom Layer-+3V3" (solid, pour order 116): 67.191,127.309 68.441,128.559 68.441,129.138 67.404,130.175 66.35,130.175 66.35,127.772 66.813,127.309
+3V3 on Bottom Layer "Bottom Layer-+3V3 10" (solid, pour order 118): 57.659,117.763 56.956,117.763 55.549,119.17 55.549,119.292 57.033,120.777 57.117,120.777 58.006,119.888 58.006,118.618 58.26,118.364
+3V3 on Bottom Layer "Bottom Layer-+3V3 8" (solid, pour order 120): 82.664,95.166 81.12,96.71 81.12,96.756 81.519,97.155 81.789,97.155 83.229,95.715
+3V3 on Bottom Layer "Bottom Layer-+3V3 7" (solid, pour order 122): 79.977,131.572 79.977,131.826 80.485,132.334 82.009,132.334 82.136,132.207 82.136,131.301 81.357,131.301 80.993,130.937 80.612,130.937
+3V3 on Bottom Layer "Bottom Layer-+3V3 4" (solid, pour order 124): 85.144,126.326 85.541,126.324 86.598,127.381 88.232,127.381 88.232,128.651 86.608,128.651 84.89,126.933 84.676,126.746 85.096,126.326
+3V3 on Bottom Layer "Bottom Layer-+3V3 3" (solid, pour order 126): 92.142,119.38 92.514,118.999 92.951,118.999 94.164,120.212 93.325,121.05 92.142,119.868
+3V3 on Bottom Layer "Bottom Layer-+3V3 2" (solid, pour order 132): 62.665,101.249 63.398,100.515 64.864,101.981 64.864,102.235 64.438,102.661 64.077,102.661
NetC1_1 on Bottom Layer "Bottom Layer-NetC1_1" (solid, pour order 134): 65.458,99.104 64.61,99.946 64.61,101.063 65.274,101.727 65.382,101.727 66.862,100.247 66.862,99.822 66.176,99.822
+3V3 on Bottom Layer "Bottom Layer-+3V3 1" (solid, pour order 138): 66.107,104.14 66.107,103.853 67.089,102.87 68.606,102.87 68.606,102.949 68.606,104.14
VIN on Bottom Layer "VIN_L02_P157" (solid, pour order 157): 18.763,61.889 23.816,61.889 23.816,58.822 18.763,58.822
VIN on Bottom Layer "VIN_L02_P158" (solid, pour order 158): 23.816,59.563 23.816,45.593 18.763,45.593 18.763,59.563

## Keep-outs
Keep-Out Layer:
  circle w0.02: c55.036,68.361 r0.6
  circle w0.02: c83.216,80.333 r0.6
  circle w0.02: c55.036,83.709 r0.6
  circle w0.02: c83.216,71.685 r0.6
  circle w0.02: c10,0 r0.6
  circle w0.02: c103.433,0 r0.6
  circle w0.02: c124,0 r0.6
  circle w0.02: c68.216,80.333 r0.6
  circle w0.02: c96.397,68.361 r0.6
  circle w0.02: c37.716,139.385 r1.625
  circle w0.02: c68.216,71.685 r0.6
  circle w0.02: c96.397,83.709 r0.6
  circle w0.02: c27.433,0 r0.6
  circle w0.02: c37.716,0.061 r1.625
  circle w0.02: c86,0 r0.6
  circle w0.02: c141.433,0 r0.6
  circle w0.02: c113.716,139.385 r1.625
  circle w0.02: c48,0 r0.6
  circle w0.02: c65.433,0 r0.6
  circle w0.02: c113.716,0.061 r1.625
  lines w0.02: -10.284,15.121 ccw(c-6.284,15.121) -6.519,11.127 cw(c-6.784,6.635) -2.29,6.875 ccw(c6.697,7.354) 0.109,1.223 cw(c-4.284,-2.865) 1.716,-2.865 1.716,-4.865 ccw(c5.716,-4.865) 5.716,-8.865 65.716,-8.865 ccw(c65.716,-4.865) 69.716,-4.865 69.716,0.061 cw(c75.716,0.061) 81.716,0.061 81.716,-4.865 ccw(c85.716,-4.865) 85.716,-8.865 145.716,-8.865 ccw(c145.716,-4.865) 149.716,-4.865 149.716,-2.865 cw(c155.716,-2.865) 151.324,1.223 ccw(c144.735,7.354) 153.723,6.875 cw(c158.216,6.635) 157.952,11.127 ccw(c157.716,15.121) 161.716,15.121 161.716,83.399 ccw(c157.716,83.399) 157.716,87.399 154.416,87.399 cw(c154.416,89.399) 152.416,89.399 152.416,130.708 ccw(c149.416,130.708) 151.516,132.85 cw(c155.716,137.135) 150.642,133.933 ccw(c146.413,131.265) 147.942,136.026 ccw(c144.946,126.695) 145.868,136.452 cw(c146.216,140.135) 145.455,136.514 cw(c146.484,141.407) 141.646,140.145 ccw(c137.775,139.135) 137.775,143.135 84.157,143.135 ccw(c84.157,139.135) 80.185,139.606 cw(c75.716,140.135) 78.64,136.714 cw(c77.34,138.235) 77.34,136.235 74.092,136.235 cw(c74.092,138.235) 72.793,136.714 cw(c75.716,140.135) 71.248,139.606 ccw(c67.275,139.135) 67.275,143.135 13.657,143.135 ccw(c13.657,139.135) 9.787,140.145 cw(c4.949,141.407) 5.978,136.514 cw(c5.216,140.135) 5.565,136.452 ccw(c6.487,126.695) 3.49,136.026 ccw(c5.019,131.265) 0.791,133.933 cw(c-4.284,137.135) -0.084,132.85 ccw(c2.016,130.708) -0.984,130.708 -0.984,89.399 cw(c-2.984,89.399) -2.984,87.399 -6.284,87.399 ccw(c-6.284,83.399) -10.284,83.399 -10.284,15.121 ; 67.247,58.646 cw(c72.059,60.003) 69.447,64.266 cw(c75.716,54.035) 81.986,64.266 cw(c79.374,60.003) 84.186,58.646 cw(c75.716,61.035) 67.247,58.646

## Other copper
Bottom Layer:
  pour cut-out: 18.763,61.889 23.816,61.889 23.816,63.819 -0.204,63.819 -0.204,61.955
  pour cut-out: 62.198,104.872 62.666,104.404 62.842,104.404 64.131,105.693 63.576,106.25

## Silkscreen, mask and mechanical layers (free items; w line width, h text height)
Bottom Overlay:
  drawing of 7 lines, arcs and shapes, not listed
  text "MOD Devices GmbH / http://moddevices.com /  / [MDX-PCB-002] / MOD DuoX - Controller Board / Rev.: MDX-PCB-001-V2.0A / Date: 2022.04.04" at 47.592,113.538 h1.52
Mechanical 3:
  lines w0.02: 9,0 9.2,0 ; 9.6,0 10,0 ; 10,-1 10,-0.8 ; 10,-0.4 10,0 ; 10,0.4 10,0 ; 10,0.8 10,1 ; 10.4,0 10,0 ; 10.8,0 11,0 ; 26.433,0 26.633,0 ; 27.033,0 27.433,0 ; 27.433,-1 27.433,-0.8 ; 27.433,-0.4 27.433,0 ; 27.433,0.4 27.433,0 ; 27.433,0.8 27.433,1 ; 27.833,0 27.433,0 ; 28.233,0 28.433,0 ; 47,0 47.2,0 ; 47.6,0 48,0 ; 48,-1 48,-0.8 ; 48,-0.4 48,0 ; 48,0.4 48,0 ; 48,0.8 48,1 ; 48.4,0 48,0 ; 48.8,0 49,0 ; 54.036,68.361 54.236,68.361 ; 54.036,83.709 54.236,83.709 ; 54.636,68.361 55.036,68.361 ; 54.636,83.709 55.036,83.709 ; 55.036,67.361 55.036,67.561 ; 55.036,67.961 55.036,68.361 ; 55.036,68.761 55.036,68.361 ; 55.036,69.161 55.036,69.361 ; 55.036,82.709 55.036,82.909 ; 55.036,83.309 55.036,83.709 ; 55.036,84.109 55.036,83.709 ; 55.036,84.509 55.036,84.709 ; 55.436,68.361 55.036,68.361 ; 55.436,83.709 55.036,83.709 ; 55.836,68.361 56.036,68.361 ; 55.836,83.709 56.036,83.709 ; 64.433,0 64.633,0 ; 65.033,0 65.433,0 ; 65.433,-1 65.433,-0.8 ; 65.433,-0.4 65.433,0 ; 65.433,0.4 65.433,0 ; 65.433,0.8 65.433,1 ; 65.833,0 65.433,0 ; 66.233,0 66.433,0 ; 67.216,71.685 67.416,71.685 ; 67.216,80.333 67.416,80.333 ; 67.816,71.685 68.216,71.685 ; 67.816,80.333 68.216,80.333 ; 68.216,70.685 68.216,70.885 ; 68.216,71.285 68.216,71.685 ; 68.216,72.085 68.216,71.685 ; 68.216,72.485 68.216,72.685 ; 68.216,79.333 68.216,79.533 ; 68.216,79.933 68.216,80.333 ; 68.216,80.733 68.216,80.333 ; 68.216,81.133 68.216,81.333 ; 68.616,71.685 68.216,71.685 ; 68.616,80.333 68.216,80.333 ; 69.016,71.685 69.216,71.685 ; 69.016,80.333 69.216,80.333 ; 82.216,71.685 82.416,71.685 ; 82.216,80.333 82.416,80.333 ; 82.816,71.685 83.216,71.685 ; 82.816,80.333 83.216,80.333 ; 83.216,70.685 83.216,70.885 ; 83.216,71.285 83.216,71.685 ; 83.216,72.085 83.216,71.685 ; 83.216,72.485 83.216,72.685 ; 83.216,79.333 83.216,79.533 ; 83.216,79.933 83.216,80.333 ; 83.216,80.733 83.216,80.333 ; 83.216,81.133 83.216,81.333 ; 83.616,71.685 83.216,71.685 ; 83.616,80.333 83.216,80.333 ; 84.016,71.685 84.216,71.685 ; 84.016,80.333 84.216,80.333 ; 85,0 85.2,0 ; 85.6,0 86,0 ; 86,-1 86,-0.8 ; 86,-0.4 86,0 ; 86,0.4 86,0 ; 86,0.8 86,1 ; 86.4,0 86,0 ; 86.8,0 87,0 ; 95.397,68.361 95.597,68.361 ; 95.397,83.709 95.597,83.709 ; 95.997,68.361 96.397,68.361 ; 95.997,83.709 96.397,83.709 ; 96.397,67.361 96.397,67.561 ; 96.397,67.961 96.397,68.361 ; 96.397,68.761 96.397,68.361 ; 96.397,69.161 96.397,69.361 ; 96.397,82.709 96.397,82.909 ; 96.397,83.309 96.397,83.709 ; 96.397,84.109 96.397,83.709 ; 96.397,84.509 96.397,84.709 ; 96.797,68.361 96.397,68.361 ; 96.797,83.709 96.397,83.709 ; 97.197,68.361 97.397,68.361 ; 97.197,83.709 97.397,83.709 ; 102.433,0 102.633,0 ; 103.033,0 103.433,0 ; 103.433,-1 103.433,-0.8 ; 103.433,-0.4 103.433,0 ; 103.433,0.4 103.433,0 ; 103.433,0.8 103.433,1 ; 103.833,0 103.433,0 ; 104.233,0 104.433,0 ; 123,0 123.2,0 ; 123.6,0 124,0 ; 124,-1 124,-0.8 ; 124,-0.4 124,0 ; 124,0.4 124,0 ; 124,0.8 124,1 ; 124.4,0 124,0 ; 124.8,0 125,0 ; 140.433,0 140.633,0 ; 141.033,0 141.433,0 ; 141.433,-1 141.433,-0.8 ; 141.433,-0.4 141.433,0 ; 141.433,0.4 141.433,0 ; 141.433,0.8 141.433,1 ; 141.833,0 141.433,0 ; 142.233,0 142.433,0
Mechanical 4:
  drawing of 404 lines, arcs and shapes, not listed
Mechanical 5:
  lines w0.02: 12.716,22.035 18.716,22.035 ; 12.716,51.035 18.716,51.035 ; 18.716,12.635 18.716,22.035 ; 18.716,28.635 18.716,22.035 ; 18.716,41.635 18.716,51.035 ; 18.716,57.635 18.716,51.035 ; 24.716,22.035 18.716,22.035 ; 24.716,51.035 18.716,51.035 ; 31.116,76.035 37.716,76.035 ; 37.716,69.935 37.716,76.035 ; 37.716,82.135 37.716,76.035 ; 44.316,76.035 37.716,76.035 ; 50.716,22.035 56.716,22.035 ; 50.716,51.035 56.716,51.035 ; 56.716,12.635 56.716,22.035 ; 56.716,28.635 56.716,22.035 ; 56.716,41.635 56.716,51.035 ; 56.716,57.635 56.716,51.035 ; 62.716,22.035 56.716,22.035 ; 62.716,51.035 56.716,51.035 ; 88.716,22.035 94.716,22.035 ; 88.716,51.035 94.716,51.035 ; 94.716,12.635 94.716,22.035 ; 94.716,28.635 94.716,22.035 ; 94.716,41.635 94.716,51.035 ; 94.716,57.635 94.716,51.035 ; 100.716,22.035 94.716,22.035 ; 100.716,51.035 94.716,51.035 ; 107.116,76.035 113.716,76.035 ; 113.716,69.935 113.716,76.035 ; 113.716,82.135 113.716,76.035 ; 120.316,76.035 113.716,76.035 ; 126.716,22.035 132.716,22.035 ; 126.716,51.035 132.716,51.035 ; 132.716,12.635 132.716,22.035 ; 132.716,28.635 132.716,22.035 ; 132.716,41.635 132.716,51.035 ; 132.716,57.635 132.716,51.035 ; 138.716,22.035 132.716,22.035 ; 138.716,51.035 132.716,51.035 ; 12.716,12.635 12.716,28.635 24.716,28.635 24.716,12.635 12.716,12.635 ; 12.716,41.635 12.716,57.635 24.716,57.635 24.716,41.635 12.716,41.635 ; 31.116,69.935 31.116,82.135 44.316,82.135 44.316,69.935 31.116,69.935 ; 50.716,12.635 50.716,28.635 62.716,28.635 62.716,12.635 50.716,12.635 ; 50.716,41.635 50.716,57.635 62.716,57.635 62.716,41.635 50.716,41.635 ; 88.716,12.635 88.716,28.635 100.716,28.635 100.716,12.635 88.716,12.635 ; 88.716,41.635 88.716,57.635 100.716,57.635 100.716,41.635 88.716,41.635 ; 107.116,69.935 107.116,82.135 120.316,82.135 120.316,69.935 107.116,69.935 ; 126.716,12.635 126.716,28.635 138.716,28.635 138.716,12.635 126.716,12.635 ; 126.716,41.635 126.716,57.635 138.716,57.635 138.716,41.635 126.716,41.635
Mechanical 7:
  circle w0.02: c37.716,139.385 r1.625
  circle w0.02: c37.716,0.061 r1.625
  circle w0.02: c113.716,139.385 r1.625
  circle w0.02: c113.716,0.061 r1.625
  lines w0.02: 7.456,137.082 cw(c9.216,127.035) 9.216,137.235 72.276,137.235 cw(c75.716,140.135) 71.248,139.606 ccw(c67.275,139.135) 67.275,143.135 13.657,143.135 ccw(c13.657,139.135) 9.787,140.145 cw(c4.949,141.407) 7.456,137.082 ; 30.716,-8.865 ccw(c27.716,-4.865) 32.716,-4.865 32.716,0.061 cw(c37.716,0.061) 42.716,0.061 42.716,-4.865 ccw(c47.716,-4.865) 44.716,-8.865 30.716,-8.865 ; 79.157,137.235 ccw(c75.716,140.135) 80.185,139.606 cw(c84.157,139.135) 84.157,143.135 137.775,143.135 cw(c137.775,139.135) 141.646,140.145 ccw(c146.484,141.407) 143.976,137.082 ccw(c142.216,127.035) 142.216,137.235 79.157,137.235 ; 106.716,-8.865 ccw(c103.716,-4.865) 108.716,-4.865 108.716,0.061 cw(c113.716,0.061) 118.716,0.061 118.716,-4.865 ccw(c123.716,-4.865) 120.716,-8.865 106.716,-8.865
Mechanical 8:
  lines w0.02: -6.334,27.235 -4.834,27.235 ; -6.334,47.435 -4.834,47.435 ; -4.834,25.835 -4.834,27.235 ; -4.834,28.635 -4.834,27.235 ; -4.834,46.035 -4.834,47.435 ; -4.834,48.835 -4.834,47.435 ; -3.334,27.235 -4.834,27.235 ; -3.334,47.435 -4.834,47.435 ; 17.216,4.3 18.716,4.3 ; 18.716,2.9 18.716,4.3 ; 18.716,5.7 18.716,4.3 ; 20.216,4.3 18.716,4.3 ; 55.216,4.3 56.716,4.3 ; 55.216,5.7 58.216,5.7 58.216,2.9 ; 56.716,5.7 56.716,4.3 ; 58.216,4.3 56.716,4.3 ; 59.216,80.335 60.716,80.335 ; 60.716,78.935 60.716,80.335 ; 60.716,81.735 60.716,80.335 ; 62.216,80.335 60.716,80.335 ; 74.216,80.335 75.716,80.335 ; 75.716,78.935 75.716,80.335 ; 75.716,81.735 75.716,80.335 ; 77.216,80.335 75.716,80.335 ; 89.216,80.335 90.716,80.335 ; 90.716,78.935 90.716,80.335 ; 90.716,81.735 90.716,80.335 ; 92.216,80.335 90.716,80.335 ; 93.216,4.3 94.716,4.3 ; 94.716,2.9 94.716,4.3 ; 94.716,5.7 94.716,4.3 ; 96.216,4.3 94.716,4.3 ; 131.216,4.3 132.716,4.3 ; 132.716,2.9 132.716,4.3 ; 132.716,5.7 132.716,4.3 ; 134.216,4.3 132.716,4.3 ; 154.766,27.235 156.266,27.235 ; 154.766,47.435 156.266,47.435 ; 156.266,25.835 156.266,27.235 ; 156.266,28.635 156.266,27.235 ; 156.266,46.035 156.266,47.435 ; 156.266,48.835 156.266,47.435 ; 157.766,27.235 156.266,27.235 ; 157.766,47.435 156.266,47.435 ; -6.334,25.835 -6.334,28.635 -3.334,28.635 -3.334,25.835 -6.334,25.835 ; -6.334,46.035 -6.334,48.835 -3.334,48.835 -3.334,46.035 -6.334,46.035 ; 17.216,2.9 17.216,5.7 20.216,5.7 20.216,2.9 17.216,2.9 ; 59.216,78.935 59.216,81.735 62.216,81.735 62.216,78.935 59.216,78.935 ; 74.216,78.935 74.216,81.735 77.216,81.735 77.216,78.935 74.216,78.935 ; 89.216,78.935 89.216,81.735 92.216,81.735 92.216,78.935 89.216,78.935 ; 93.216,2.9 93.216,5.7 96.216,5.7 96.216,2.9 93.216,2.9 ; 131.216,2.9 131.216,5.7 134.216,5.7 134.216,2.9 131.216,2.9 ; 154.766,25.835 154.766,28.635 157.766,28.635 157.766,25.835 154.766,25.835 ; 154.766,46.035 154.766,48.835 157.766,48.835 157.766,46.035 154.766,46.035
Mechanical 9:
  lines w0.02: 16.466,0 18.716,0 ; 18.716,-2.25 18.716,0 ; 18.716,2.25 18.716,0 ; 20.966,0 18.716,0 ; 54.466,0 56.716,0 ; 56.716,-2.25 56.716,0 ; 56.716,2.25 56.716,0 ; 58.466,76.035 60.716,76.035 ; 58.966,0 56.716,0 ; 60.716,73.785 60.716,76.035 ; 60.716,78.285 60.716,76.035 ; 62.966,76.035 60.716,76.035 ; 73.466,76.035 75.716,76.035 ; 75.716,73.785 75.716,76.035 ; 75.716,78.285 75.716,76.035 ; 77.966,76.035 75.716,76.035 ; 88.466,76.035 90.716,76.035 ; 90.716,73.785 90.716,76.035 ; 90.716,78.285 90.716,76.035 ; 92.466,0 94.716,0 ; 92.966,76.035 90.716,76.035 ; 94.716,-2.25 94.716,0 ; 94.716,2.25 94.716,0 ; 96.966,0 94.716,0 ; 130.466,0 132.716,0 ; 132.716,-2.25 132.716,0 ; 132.716,2.25 132.716,0 ; 134.966,0 132.716,0 ; 16.466,-2.25 16.466,2.25 20.966,2.25 20.966,-2.25 16.466,-2.25 ; 54.466,-2.25 54.466,2.25 58.966,2.25 58.966,-2.25 54.466,-2.25 ; 58.466,73.785 58.466,78.285 62.966,78.285 62.966,73.785 58.466,73.785 ; 73.466,73.785 73.466,78.285 77.966,78.285 77.966,73.785 73.466,73.785 ; 88.466,73.785 88.466,78.285 92.966,78.285 92.966,73.785 88.466,73.785 ; 92.466,-2.25 92.466,2.25 96.966,2.25 96.966,-2.25 92.466,-2.25 ; 130.466,-2.25 130.466,2.25 134.966,2.25 134.966,-2.25 130.466,-2.25
Mechanical 10:
  lines w0.02: -2.584,68.935 -2.584,63.435 26.016,63.435 26.016,68.935 ; 1.216,62.935 1.216,63.435 ; 2.216,62.935 2.216,63.435 ; 3.216,62.935 3.216,63.435 ; 4.216,62.935 4.216,63.435 ; 5.216,62.935 5.216,63.435 ; 6.216,62.935 6.216,63.435 ; 7.216,62.935 7.216,63.435 ; 8.216,62.935 8.216,63.435 ; 9.216,62.935 9.216,63.435 ; 10.216,62.935 10.216,63.435 ; 11.216,62.935 11.216,63.435 ; 11.716,-8.865 11.716,142.633 ; 12.216,62.935 12.216,63.435 ; 13.216,62.935 13.216,63.435 ; 14.216,62.935 14.216,63.435 ; 15.216,62.935 15.216,63.435 ; 16.216,62.935 16.216,63.435 ; 17.216,62.935 17.216,63.435 ; 18.216,62.935 18.216,63.435 ; 19.216,62.935 19.216,63.435 ; 20.216,62.935 20.216,63.435 ; 21.216,62.935 21.216,63.435 ; 22.216,62.935 22.216,63.435 ; 23.091,63.435 23.091,62.435 23.341,62.435 23.341,63.435 ; 0.091,62.435 0.341,62.435 ; 0.091,62.435 0.341,63.435 0.341,62.435 ; 0.091,62.435 0.091,63.435 0.341,62.435 ; -3.184,68.935 -3.184,70.135 26.616,70.135 26.616,68.935 -3.184,68.935
  lines w0.1: -3.184,70.135 26.016,63.435 ; -2.584,63.435 26.616,70.135
Mechanical 11:
  drawing of 309 lines, arcs and shapes, not listed
Mechanical 12:
  drawing of 447 lines, arcs and shapes, not listed